# KiCad board pcb.kicad_pcb
title: Vail Adapter; date: 2022-10-02; rev: 1
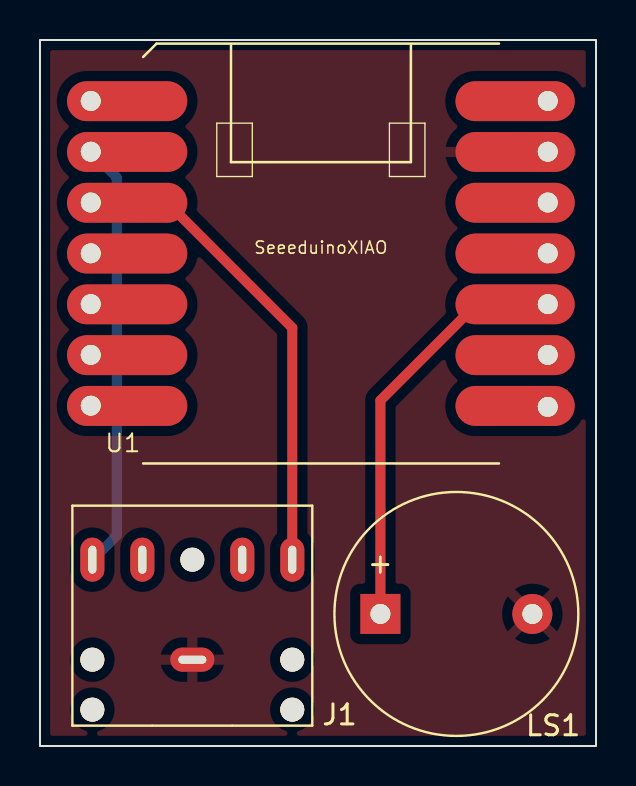
[diagram p0: board, top side]
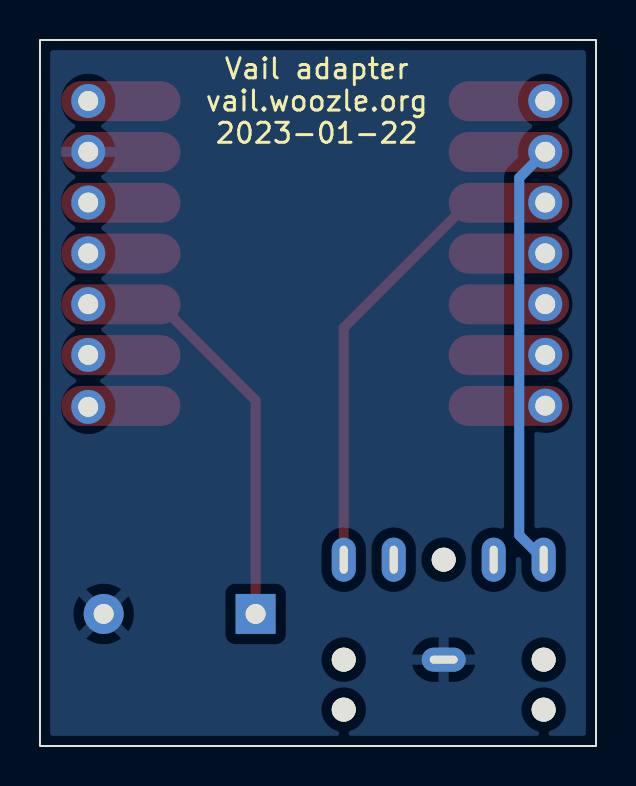
[diagram p1: board, bottom side, seen from below]

Outline 27.81 x 35.31 mm; copper layers: Top, Bottom. Coordinates in mm from the lower left corner of the outline.
Outline path: rectangle 0,35.31 27.81,0
Stack: Top 0.035mm / dielectric 1.51mm FR4 er 4.5 / Bottom 0.035mm

## Placement (name value [footprint] x y rotation side)
J1  TRS Jack  [Jack_3.5mm_CUI_SJ1-3525N_Horizontal]  7.62 4.32 0 top
J2  Conn_01x07  [PinSocket_1x07_P2.54mm_Vertical#2]  2.54 32.26 0 top
J3  Conn_01x07  [PinSocket_1x07_P2.54mm_Vertical]  25.4 33.47 0 top
LS1  Speaker  [Buzzer_12x9.5RM7.6]  17.03 6.6 0 top
U1  SeeeduinoXIAO  [Seeeduino XIAO Sides Only]  5.16 14.13 0 top

## Footprints (pads in the part's own frame, mm; a bottom-side part is the same pattern mirrored in y, then rotated)
Buzzer_12x9.5RM7.6
  rect 2x2 hole 1: 1(0,0)
  round 2 hole 1: 2(7.6,0)
Jack_3.5mm_CUI_SJ1-3525N_Horizontal
  round 1.2 hole 1.2 unplated: (-5,0) (-5,-2.5) (0,5) (5,0) (5,-2.5)
  oval 1.2x2.2 hole 0.4x1.4: R(-5,5) RN(-2.5,5) T(5,5) TN(2.5,5)
  oval 2.2x1.2 hole 1.4x0.4: S(0,0)
PinSocket_1x07_P2.54mm_Vertical
  round 1.7 hole 1: 1(0,-16.51)
  oval 1.7x1.7 hole 1: 2(0,-13.91) 3(0,-11.37) 4(0,-8.83) 5(0,-6.29) 6(0,-3.75) 7(0,-1.21)
PinSocket_1x07_P2.54mm_Vertical#2
  round 1.7 hole 1: 1(0,0)
  oval 1.7x1.7 hole 1: 2(0,-2.54) 3(0,-5.08) 4(0,-7.62) 5(0,-10.16) 6(0,-12.7) 7(0,-15.24)
Seeeduino XIAO Sides Only
  oval 6.017x1.999 smd: 1(-0.801,18.118) 2(-0.801,15.578) 3(-0.801,13.038) 4(-0.801,10.498) 5(-0.801,7.958) 6(-0.801,5.418) 7(-0.801,2.878)
  oval 5.966x1.999 smd: 8(18.607,2.878) 9(18.607,5.418) 10(18.607,7.958) 11(18.607,10.498) 12(18.607,13.038) 13(18.607,15.578) 14(18.607,18.118)

## Nets
GND: J1.S J3.6 LS1.2 U1.13
Net-(U1-Pad1): J2.1 U1.1
Net-(U1-Pad2): J1.R J2.2 U1.2
Net-(U1-Pad3): J1.T J2.3 U1.3
Net-(U1-Pad4): J2.4 U1.4
Net-(U1-Pad5): J2.5 U1.5
Net-(U1-Pad6): J2.6 U1.6
Net-(U1-Pad7): J2.7 U1.7
Net-(U1-Pad8): J3.1 U1.8
Net-(U1-Pad9): J3.2 U1.9
Net-(U1-Pad10): J3.3 LS1.1 U1.10
Net-(U1-Pad11): J3.4 U1.11
Net-(U1-Pad12): J3.5 U1.12
Net-(U1-Pad14): J3.7 U1.14

Pads without a net: J1 RN TN

## Routing (per net, layer and track width the routed paths; a pad name or vN(x,y) marks a point on that pad's centre or on a via; arc(x,y) is an arc through that point)
Net-(U1-Pad2): length 21.4
  Bottom w0.5: J2.2 3.84,28.42 3.84,10.54 J1.R
Net-(U1-Pad3): length 22.4
  Top w0.5: U1.3 6.37,27.17 12.62,20.91 J1.T
Net-(U1-Pad10): length 19.4
  Top w0.5: LS1.1 17.03,17.28 21.83,22.09 U1.10

## Copper pours and planes (outline as drawn; the poured copper is in the pictures)
GND on Top, Bottom: 27.94,0 0,0 0,35.31 27.94,35.31

## Text on the board
B.Silkscreen: Vail adapter / vail.woozle.org / 2023-01-22
